# KiCad board SHEGO75-V3.kicad_pcb (continued)
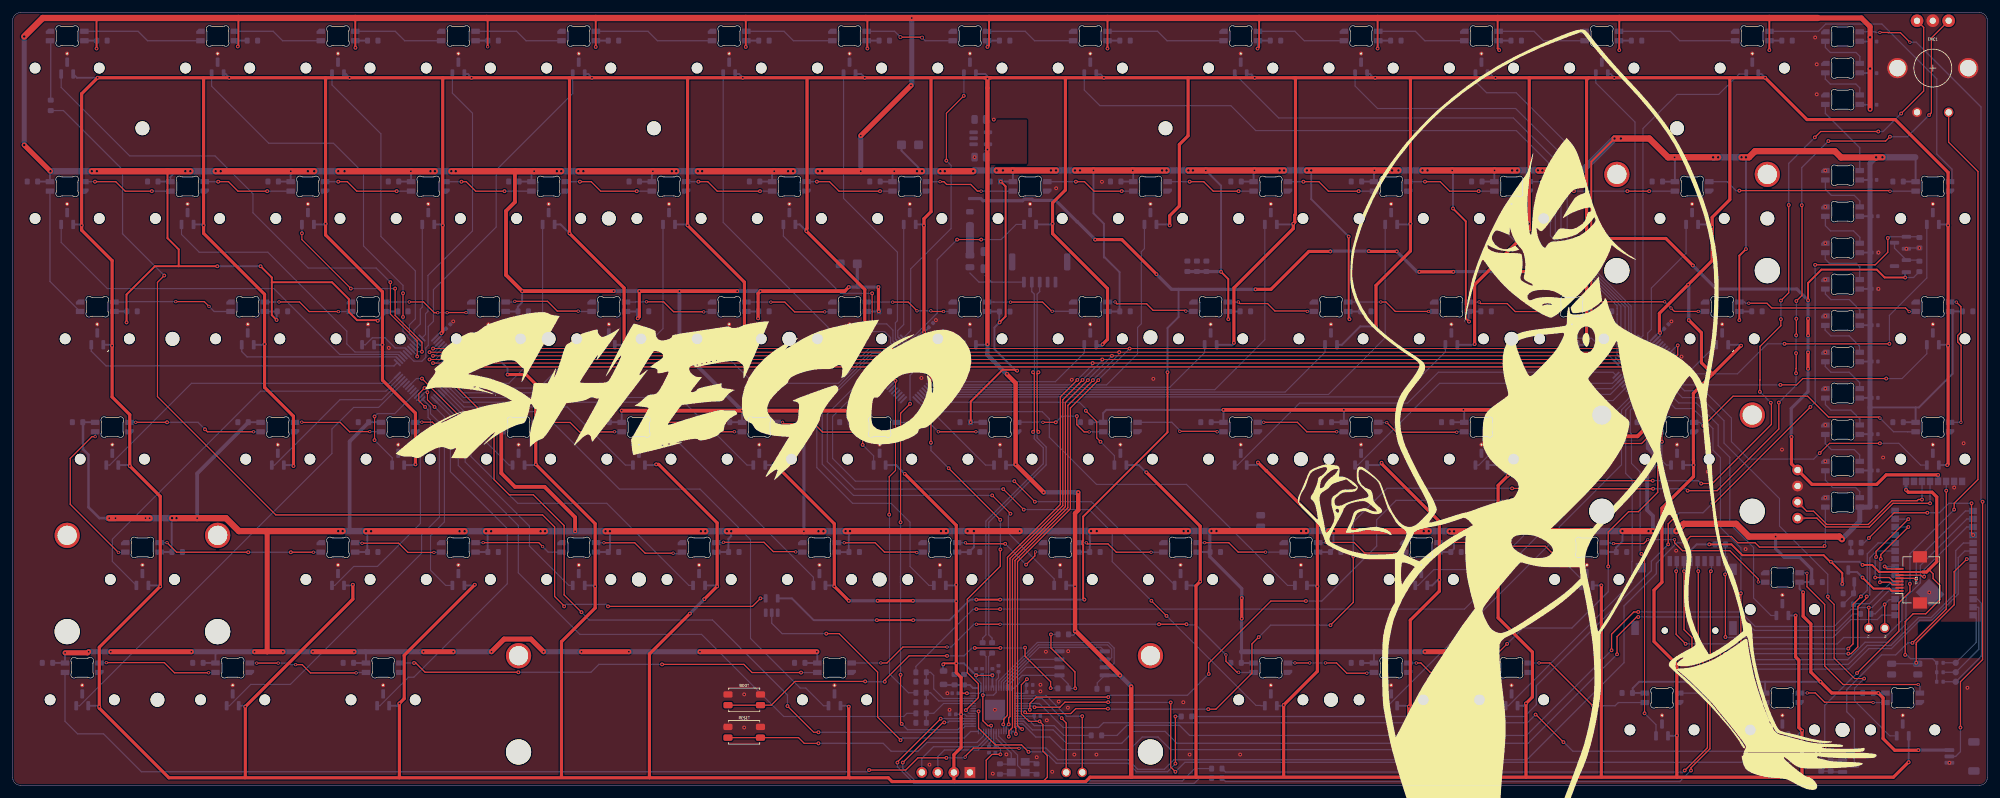
[diagram p0: board, top side]
## Routing (per net, layer and track width the routed paths; a pad name or vN(x,y) marks a point on that pad's centre or on a via; arc(x,y) is an arc through that point) (continued)
  Bottom w0.2: v1(268.78,19.91) 290.43,19.91 293.18,22.66 296.78,22.66 299.66,25.53 299.66,29.78 301.93,32.05 301.93,34.8 309.3,42.18 U5.24 ; SD1.7 268.88,34.01 v1(268.78,33.91)
/SD_MOSI: length 72.7
  Top w0.2: v1(266.78,19.16) 266.78,19.2 265.78,20.2 265.78,23.41 264.53,24.66 v1(264.53,33.91)
  Bottom w0.2: U5.27 308.74,38.37 307.53,37.16 307.53,30.47 303.62,26.56 301.68,26.56 297.28,22.16 293.53,22.16 290.53,19.16 v1(266.78,19.16) ; SD1.3 264.48,33.96 v1(264.53,33.91)
/sensors/HE1_Esc: length 83.8
  Top w0.18: v1(64.03,67.91) 64.03,70.37 59.78,74.62 v1(59.78,79.66)
  Bottom w0.18: 63.01,69.05 64.03,68.03 v1(64.03,67.91) ; v1(59.78,79.66) 57.53,81.91 46.78,81.91 38.03,90.66 38.03,93.66 32.03,99.66 18.53,99.66 7.68,110.51 HE1.2
/sensors/HE2_F1: length 62.2
  Top w0.18: v1(61.78,77.91) v1(61.78,74.16)
  Bottom w0.18: v1(61.78,74.16) 61.78,71.87 62.48,71.17 62.48,71 63.72,69.76 ; v1(61.78,77.91) 61.78,79.16 55.53,85.41 55.53,96.91 50.78,101.66 40.53,101.66 31.49,110.69 HE2.2
/sensors/HE3_F2: length 48.9
  Bottom w0.18: 64.07,70.12 62.78,71.41 62.78,72.91 63.74,73.86 63.74,81.45 58.28,86.91 58.28,103.16 50.54,110.89 HE3.2
/sensors/HE4_F3: length 46.4
  Bottom w0.18: HE4.2 69.59,109.59 72.78,106.41 72.78,87.78 65.73,80.73 65.73,75.06 65.35,74.67 65.35,71.4 64.78,70.82
/sensors/HE5_F4: length 58.3
  Bottom w0.18: HE5.2 88.64,109.52 76.53,97.41 76.53,88.41 66.6,78.47 66.6,73.47 65.78,72.66 65.78,69.66 65.38,69.26 65.38,67.76 64.78,67.16 63.5,67.16 62.3,68.35
/sensors/HE6_F5: length 61
  Bottom w0.18: MUX2.5 137.7,69.16 135.56,69.16 134.26,67.86 130.73,67.86 129.07,69.52 129.07,72.52 112.46,89.13 HE6.2
/sensors/HE7_F6: length 46.4
  Bottom w0.18: 140.27,70.12 139.71,70.68 139.71,73.23 140.03,73.56 140.03,84.41 131.51,92.93 HE7.2
/sensors/HE8_F7: length 46.4
  Top w0.18: v1(150.53,109.16) 147.78,106.41 v1(147.78,98.91)
  Bottom w0.18: HE8.2 150.56,109.18 v1(150.53,109.16) ; v1(147.78,98.91) 148.53,98.16 148.53,88.16 142.13,81.76 142.13,71.98 140.98,70.82
/sensors/HE9_F8: length 116.1
  Bottom w0.18: 255.18,68.35 254.54,69 254.54,75.86 243.38,87.02 243.38,89.2 243.45,89.27 243.45,90.22 243.11,90.56 243.11,98.54 237.99,103.66 196.75,103.66 192.8,107.6 172.09,107.6 169.61,110.08 HE9.2
/sensors/HE10_F9: length 91.2
  Bottom w0.18: HE10.2 200.38,105.66 237.53,105.66 244.16,99.03 244.16,86.78 255.21,75.73 255.21,69.74 255.89,69.06
/sensors/HE11_F10: length 73.9
  Bottom w0.18: HE11.2 212.47,110.72 216.03,107.16 237.88,107.16 245.06,99.98 245.06,86.42 255.77,75.71 255.77,70.59 256.6,69.76
/sensors/HE12_F11: length 55.8
  Bottom w0.18: 256.95,70.12 256.15,70.92 256.15,75.86 246.03,85.98 246.03,101.58 237.96,109.66 233.28,109.66 231.52,111.42 HE12.2
/sensors/HE13_F12: length 44.9
  Bottom w0.18: 257.31,70.47 256.77,71.01 256.77,105.02 250.57,111.22 HE13.2
/sensors/HE14_Del: length 53.2
  Bottom w0.18: 257.66,70.82 258.03,71.2 258.03,103.99 263.43,109.39 270.01,109.39 273.24,112.62 HE14.2
/sensors/HE15_Grave: length 64.3
  Bottom w0.18: HE15.2 7.68,85.96 14.98,78.66 41.33,78.66 51.76,68.22 61.01,68.22 61.6,67.64
/sensors/HE16_1: length 45.9
  Bottom w0.18: 61.95,68 61.34,68.61 54.18,68.61 52.89,69.9 52.89,71.9 40.38,84.41 29.53,84.41 26.73,87.21 HE16.2
/sensors/HE17_2: length 33.9
  Top w0.18: v1(64.78,68.66) 64.78,70.16 60.53,74.41 v1(60.53,78.66) ; v1(53.53,78.66) 45.78,86.41 v1(45.78,87.41)
  Bottom w0.18: 63.36,69.41 64.12,68.66 v1(64.78,68.66) ; v1(53.53,78.66) v1(60.53,78.66) ; HE17.2 v1(45.78,87.41)
/sensors/HE18_3: length 19.2
  Bottom w0.18: 64.42,70.47 63.53,71.36 63.53,72.06 64.52,73.04 64.52,75.39 64.83,75.71 HE18.2
/sensors/HE19_4: length 36
  Bottom w0.18: HE19.2 83.88,74.86 82,72.98 82,67.13 78.53,63.66 71.24,63.66 70.32,64.57
/sensors/HE20_5: length 54.7
  Bottom w0.18: 69.61,63.87 71.32,62.16 92.78,62.16 102.93,72.31 HE20.2
/sensors/HE21_6: length 30.7
  Top w0.18: v1(136.03,73.06) v1(136.03,77.91)
  Bottom w0.18: 139.92,69.76 139.33,70.35 139.33,72.06 138.33,73.06 v1(136.03,73.06) ; v1(136.03,77.91) 131.03,77.91 121.98,86.96 HE21.2
/sensors/HE22_7: length 18.9
  Bottom w0.18: HE22.2 141.03,72.96 140.09,72.01 140.09,71.01 140.62,70.47
/sensors/HE23_8: length 34.7
  Top w0.18: v1(153.28,86.41) v1(149.48,86.41)
  Bottom w0.18: HE23.2 158.83,88.81 156.43,86.41 v1(153.28,86.41) ; v1(149.48,86.41) 146.33,83.26 146.33,74.78 141.87,70.31 141.87,69.99 140.33,68.46 139.81,68.46 139.21,69.06
/sensors/HE24_9: length 55.2
  Bottom w0.18: 146.17,64.22 146.98,63.41 173.13,63.41 178.04,68.31 178.04,72.48 178.64,73.07 178.64,84.48 179.13,84.98 HE24.2
/sensors/HE25_0: length 74.6
  Bottom w0.18: 145.46,63.51 146.33,62.64 190.27,62.64 198.18,70.56 HE25.2
/sensors/HE26_Minus: length 94.5
  Bottom w0.18: 144.75,62.81 145.68,61.88 208.26,61.88 217.23,70.86 HE26.2
/sensors/HE27_Equals: length 32.2
  Bottom w0.18: 254.48,67.64 253.94,68.18 253.94,74.57 253.95,74.58 253.95,75.51 253.94,75.51 253.94,75.92 246.2,83.66 240.28,83.66 236.28,87.66 HE27.2
/sensors/HE28_Backspace: length 31.4
  Bottom w0.18: 259.65,61.04 257.86,62.83 257.86,68.73 258.78,69.65 258.78,71.6 259.36,72.18 259.36,78.73 264.86,84.23 HE28.2
/sensors/HE29_Home: length 56.9
  Top w0.18: v1(297.03,69.91) v1(280.43,69.91)
  Bottom w0.18: HE29.2 302.96,80.33 297.03,74.41 v1(297.03,69.91) ; 263.56,64.93 263.79,65.16 272.98,65.16 277.73,69.91 v1(280.43,69.91)
/sensors/HE30_Tab: length 50.6
  Bottom w0.2: HE30.2 12.44,68.74 14.78,66.41 60.36,66.41 60.89,66.93
/sensors/HE31_Q: length 26.6
  Bottom w0.2: HE31.2 36.26,68.68 37.1,67.83 60.7,67.83 61.24,67.29
/sensors/HE32_W: length 8.7
  Bottom w0.2: 55.31,69.76 55.83,69.76 56.93,70.86 58.93,70.86 60.54,69.25 62.11,69.25 62.66,68.7
/sensors/HE33_E: length 6.4
  Bottom w0.18: 70.68,64.93 74.36,68.61 HE33.2
/sensors/HE34_R: length 26.8
  Bottom w0.18: HE34.2 90.13,69.76 83.28,62.91 71.28,62.91 69.97,64.22
/sensors/HE35_T: length 31.4
  Bottom w0.18: 138.15,68 137.37,68.77 135.82,68.77 130.7,63.66 117.28,63.66 112.46,68.48 HE35.2
/sensors/HE36_Y: length 10.4
  Bottom w0.18: 139.56,69.41 138.95,70.03 138.95,70.9 138.01,71.83 134.12,71.83 132.04,69.76 HE36.2
/sensors/HE37_U: length 6.3
  Bottom w0.18: HE37.2 150.56,68.68 146.88,65
/sensors/HE38_I: length 26.5
  Bottom w0.18: 146.52,64.57 147.19,63.91 165.03,63.91 169.61,68.48 HE38.2
/sensors/HE39_O: length 46.7
  Bottom w0.18: HE39.2 188.66,68.53 183.15,63.02 146.66,63.02 145.81,63.87
/sensors/HE40_P: length 66.8
  Bottom w0.18: HE40.2 207.71,68.58 201.39,62.26 146,62.26 145.11,63.16
/sensors/HE41_LeftBracket: length 86.8
  Bottom w0.18: 144.4,62.45 145.35,61.5 219.63,61.5 226.76,68.63 HE41.2
/sensors/HE42_RightBracket: length 10
  Bottom w0.18: 253.77,66.93 249.92,70.78 247.37,70.78 246.34,69.76 HE42.2
/sensors/HE43_Backslash: length 14.2
  Bottom w0.18: HE43.2 265.77,65.91 262.78,65.91 259.68,62.81 259.68,62.44 260.37,61.74
/sensors/HE44_PgUp: length 43.7
  Top w0.18: v1(296.53,64.41) 283.33,64.41 282.33,63.41 v1(279.78,63.41)
  Bottom w0.18: HE44.2 302.96,68.33 299.03,64.41 v1(296.53,64.41) ; 263.2,64.57 264.37,63.41 v1(279.78,63.41)
/sensors/HE45_CapsLock: length 52
  Bottom w0.18: 60.89,64.93 59.62,63.66 28.31,63.66 15.36,50.71 HE45.2
/sensors/HE46_A: length 26.2
  Bottom w0.18: HE46.2 41.46,50.71 51.81,61.06 58.43,61.06 61.6,64.22
/sensors/HE47_S: length 16.8
  Top w0.18: v1(57.28,54.66) v1(57.28,58.41)
  Bottom w0.18: 63.72,62.09 60.48,58.86 57.73,58.86 v1(57.28,58.41) ; v1(57.28,54.66) 60.07,51.87 HE47.2
/sensors/HE48_D: length 16.3
  Bottom w0.18: HE48.2 78.58,50.71 73.67,55.62 73.67,56.24 67.85,62.06
/sensors/HE49_F: length 34.6
  Bottom w0.18: HE49.2 96.98,50.71 87.78,59.91 71.45,59.91 68.55,62.81
/sensors/HE50_G: length 53.3
  Bottom w0.18: 69.26,63.51 71.37,61.41 105.53,61.41 116.23,50.71 HE50.2
/sensors/HE51_H: length 15.8
  Top w0.18: v1(134.53,53.91) v1(134.53,59.16)
  Bottom w0.18: 137.44,64.57 134.53,61.66 v1(134.53,59.16) ; HE51.2 136.27,52.17 v1(134.53,53.91)
/sensors/HE52_J: length 16.6
  Bottom w0.18: 142.99,61.04 145.58,58.45 146.24,58.45 153.98,50.71 HE52.2
/sensors/HE53_K: length 37.8
  Top w0.18: v1(169.85,59.31) 171.58,57.58 171.58,55 v1(172.18,54.4)
  Bottom w0.18: 143.69,61.74 144.78,60.66 168.81,60.66 169.85,59.61 v1(169.85,59.31) ; HE53.2 174.37,52.21 v1(172.18,54.4)
/sensors/HE54_L: length 66.6
  Bottom w0.18: HE54.2 193.86,50.71 203.67,60.52 220.77,60.52 225.66,65.41 253.29,65.41 253.77,64.93
/sensors/HE55_Semicolon: length 47.4
  Bottom w0.18: 254.12,64.57 253.21,63.66 225.86,63.66 212.91,50.71 HE55.2
/sensors/HE56_Quote: length 28.6
  Bottom w0.18: 254.48,64.22 253.05,62.8 244.14,62.8 232.05,50.71 HE56.2
/sensors/HE57_Enter: length 12.1
  Top w0.18: v1(261.03,58.91) v1(261.03,54.41)
  Bottom w0.18: HE57.2 261.73,50.71 261.03,51.41 v1(261.03,54.41) ; 260.02,61.39 261.03,60.38 v1(261.03,58.91)
/sensors/HE58_PgDn: length 50
  Top w0.18: v1(295.53,54.16) 287.56,54.16 v1(286,52.6)
  Bottom w0.18: v1(286,52.6) 285.06,51.66 274.78,51.66 272.03,54.41 272.03,58.16 267.72,62.47 264.6,62.47 262.85,64.22 ; v1(295.53,54.16) 298.53,54.16 301.98,50.71 HE58.2
/sensors/HE59_ShiftL: length 65
  Bottom w0.18: HE59.2 15.78,35.46 15.78,38.96 39.23,62.41 59.08,62.41 61.24,64.57
/sensors/HE60_Z: length 42.9
  Top w0.18: v1(65.28,59.91) 64.28,60.91 64.28,62 v1(65.19,62.91)
  Bottom w0.18: v1(65.19,62.91) 65.19,62.87 64.07,61.74 ; HE60.2 50.98,31.66 53.98,34.66 57.73,34.66 64.53,41.46 64.53,53.26 66.13,54.86 66.13,57.86 65.75,58.24 65.75,59.44 v1(65.28,59.91)
/sensors/HE61_X: length 36.2
  Top w0.18: v1(66.78,59.91) 65.64,61.05 v1(65.64,62.24)
  Bottom w0.18: v1(65.64,62.24) 65.28,62.24 64.42,61.39 ; v1(66.78,59.91) 68.33,58.36 68.33,41.71 66.14,39.51 66.14,34.05 68.53,31.66 HE61.2
/sensors/HE62_C: length 39
  Bottom w0.18: 67.14,61.39 71.62,56.91 71.62,51.2 81.78,41.04 81.78,37.91 88.03,31.66 HE62.2
/sensors/HE63_V: length 55.4
  Bottom w0.18: 67.49,61.74 72.53,56.71 72.53,52.07 79.95,44.66 94.03,44.66 107.03,31.66 HE63.2
/sensors/HE64_B: length 72.7
  Bottom w0.18: 68.91,63.16 71.41,60.66 100.78,60.66 103.53,57.91 103.53,56.16 126.74,32.94 HE64.2
/sensors/HE65_N: length 54.2
  Bottom w0.18: HE65.2 145.03,31.66 142.03,34.66 142.03,41.66 139.03,44.66 132.93,44.66 127.28,50.31 127.28,59.69 135.98,68.39 137.04,68.39 137.8,67.64
/sensors/HE66_M: length 69.6
  Top w0.18: v1(157.93,43.01) v1(155.03,45.91)
  Bottom w0.18: v1(155.03,45.91) 133.08,45.91 128.13,50.86 128.13,60.01 136.14,68.01 136.72,68.01 137.44,67.29 ; HE66.2 164.84,32.69 157.6,39.93 157.6,42.69 v1(157.93,43.01)
/sensors/HE67_Comma: length 79.1
  Top w0.18: v1(161.78,44.91) v1(158.53,48.16)
  Bottom w0.18: v1(161.78,44.91) 170.73,44.91 183.89,31.74 ; v1(158.53,48.16) 133.38,48.16 129.78,51.76 129.78,58.41 132.03,60.66 132.82,60.66 137.09,64.93
/sensors/HE68_Period: length 73.6
  Bottom w0.18: HE68.2 201.78,31.66 185.78,47.66 171.53,47.66 164.08,55.11 164.08,58.03 162.95,59.16 145.58,59.16 143.34,61.39
/sensors/HE69_Slash: length 54.2
  Bottom w0.18: HE69.2 222.43,31.66 224.93,34.16 233.78,34.16 239.13,39.51 239.13,53.26 247.78,61.91 252.87,61.91 254.83,63.87
/sensors/HE70_ShiftR: length 36.5
  Bottom w0.18: HE70.2 248.19,32.75 244.78,36.16 244.78,40.91 254.64,50.76 254.64,59.43 256.95,61.74
/sensors/HE71_ArrowUp: length 45.4
  Bottom w0.18: 261.44,62.81 263.7,60.54 266.45,60.54 269.93,57.06 269.93,53.78 271.78,51.93 271.78,41.41 275.53,37.66 275.53,29.66 278.29,26.89 HE71.2
/sensors/HE72_CtrlL: length 75.4
  Bottom w0.18: 61.95,63.87 57.92,59.83 53.96,59.83 50.53,56.41 50.53,52.54 10.6,12.61 HE72.2
/sensors/HE73_Win: length 67.6
  Bottom w0.18: HE73.2 34.32,12.61 37.69,15.98 43.96,15.98 64.72,36.75 64.72,39.65 67.53,42.46 67.53,57.46 66.13,58.86 66.13,59.89 64.99,61.04 64.78,61.04
/sensors/HE74_AltL: length 62.5
  Bottom w0.18: HE74.2 58.13,12.61 62.65,17.12 63.5,17.12 78.28,31.91 78.28,40.66 69.28,49.66 69.28,58.54 66.79,61.04
/sensors/HE75_Space: length 90.7
  Bottom w0.18: 68.2,62.45 71.5,59.16 83.78,59.16 96.03,46.91 108.78,46.91 116.78,38.91 116.78,23.27 124.65,15.41 125.53,15.41 128.33,12.61 HE75.2
/sensors/HE76_AltR: length 107
  Top w0.18: v1(160.03,43.66) v1(156.78,46.91) ; v1(182.62,26.83) v1(180.23,29.22)
  Bottom w0.18: v1(180.23,29.22) 174.03,35.42 174.03,40.01 170.38,43.66 v1(160.03,43.66) ; v1(156.78,46.91) 133.28,46.91 128.93,51.26 128.93,58.78 137.09,66.93 ; HE76.2 197.58,12.61 197.53,12.66 196.8,12.66 v1(182.62,26.83)
/sensors/HE77_Fn: length 66.1
  Bottom w0.18: HE77.2 217.67,12.61 243.28,38.22 243.28,46.04 253.9,56.66 253.9,59.4 256.6,62.1
/sensors/HE78_CtrlR: length 58.6
  Bottom w0.18: HE78.2 236.73,12.61 256.28,32.16 256.28,35.41 256.33,35.45 256.33,48.36 255.3,49.39 255.3,59.39 257.31,61.39
/sensors/HE79_ArrowLeft: length 55.6
  Top w0.18: v1(257.78,36.66) 258.28,36.16 v1(258.28,11.41)
  Bottom w0.18: HE79.2 260.09,9.59 v1(258.28,11.41) ; v1(257.78,36.66) 257.58,36.86 257.58,49.61 256.21,50.98 256.21,55.63 256.03,55.81 256.03,59.41 256.91,60.28 256.91,60.29 257.66,61.04
/sensors/HE80_ArrowDown: length 65.2
  Top w0.18: v1(273.53,30.41) 273.53,19.31 273.18,18.96
  Top w0.2: 273.18,18.96 272.43,18.21 v1(272.43,14.26)
  Bottom w0.18: v1(272.43,14.26) 272.43,13.26 277.84,7.84 HE80.2 ; 260.73,62.1 263.17,59.66 265.93,59.66 269.11,56.48 269.11,53.08 270.28,51.91 270.28,40.86 273.53,37.61 v1(273.53,30.41)
/sensors/HE81_ArrowRight: length 75.1
  Top w0.18: v1(293.03,16.91) 291.53,16.91 288.28,20.16 288.28,28.66 287.28,29.66 v1(287.28,29.91)
  Bottom w0.18: 262.14,63.51 264.27,61.39 267.2,61.39 270.86,57.73 270.86,54.19 279.64,45.41 279.64,41.05 287.28,33.41 v1(287.28,29.91) ; HE81.2 297.09,7.84 291.53,13.41 291.53,15.41 v1(293.03,16.91)
/SWCLK: length 12.9
  Bottom w0.2: SWD1.3 146.43,4.55 147.48,5.61 152.82,5.61 154.46,7.25 U4.24
/SWDIO: length 14.8
  Bottom w0.2: SWD1.4 143.89,4.26 145.74,6.11 152.74,6.11 154.06,7.44 U4.25
/TFT_BL: length 9.3
  Top w0.3: TFT1.LEDA 297.41,30.78 297.03,31.16 294.53,31.16 v1(292.78,32.91)
  Bottom w0.3: v1(292.78,32.91) 291.91,33.78 290.53,33.78
/TFT_CS: length 4.2
  Top w0.2: TFT1.CS 296.66,34.28 v1(296.28,34.66)
  Bottom w0.2: U5.16 296.69,34.57 296.6,34.66 v1(296.28,34.66)
/TFT_DC: length 17.6
  Top w0.2: v1(294.93,36.16) 294.93,37.06 v1(300.03,42.16) ; TFT1.DC 297.66,32.28 297.03,32.91 v1(294.78,32.91)
  Bottom w0.2: v1(300.03,42.16) 297.97,42.16 ; v1(294.78,32.91) 294.78,36.01 v1(294.93,36.16)
/TFT_MOSI: length 18.1
  Top w0.2: v1(301.28,32.66) 301.16,32.78 TFT1.SDA
  Bottom w0.2: v1(301.28,32.66) 301.16,32.66 301.28,32.78 301.28,35.66 309.07,43.45 U5.23
/TFT_RES: length 15.9
  Top w0.2: v1(295.67,35.85) 295.67,36.54 v1(300.03,40.91) ; v1(295.53,32.16) 297.1,32.16 297.48,31.78 TFT1.RES
  Bottom w0.2: v1(295.67,35.85) 295.53,35.71 v1(295.53,32.16) ; v1(300.03,40.91) 297.95,40.91
/TFT_SCK: length 15.7
  Top w0.2: v1(302.53,33.03) 302.25,33.03 302,33.28 TFT1.SCL
  Bottom w0.2: U5.25 309.28,40.91 302.53,34.16 v1(302.53,33.03)
/USB_BOOT: length 60.1
  Top w0.2: v1(152.28,21.76) v1(156.33,21.76) ; v1(160.23,21.81) 160.23,20.46 164.28,16.41 v1(164.28,15.41) ; BOOT1.2 BOOT1.2 120.07,12.69 123.83,16.46 v1(134.93,16.46) ; v1(138.03,16.41) 138.03,16.66 141.88,20.51 v1(147.88,20.51)
  Bottom w0.2: v1(152.28,21.76) 151.83,21.76 150.58,20.51 v1(147.88,20.51) ; v1(134.93,16.46) 134.98,16.41 v1(138.03,16.41) ; v1(156.33,21.76) 160.18,21.76 v1(160.23,21.81) ; v1(164.28,15.41) 165.37,15.41
/XIN: length 9.8
  Bottom w0.18: U4.20 156.06,7.78 159.05,4.8 159.05,3.13 160.16,2.02
  Bottom w0.2: Y1.3 161.84,2.02
/XOUT: length 7.2
  Bottom w0.18: 156.26,3.36 157.7,3.36
  Bottom w0.2: U4.21 155.66,7.47 158.06,5.07 Y1.1
AMB_IN: length 321
  Top w0.2: v3(159.28,5.86) 159.23,5.91 152.06,5.91 150.75,4.59 v3(150.75,4.46) ; v1(147.78,4.36) 143.28,4.36 141.36,2.43 v1(135.56,2.43) ; v1(286.78,37.91) 286.6,37.72 276.47,37.72 275.78,38.41 273.03,38.41 272.03,39.41 265.53,39.41 v1(264.91,38.78)
  Bottom w0.2: AMB1.3 286.89,38.02 v1(286.78,37.91) ; v1(135.56,2.43) 135.28,2.16 20.38,2.16 14.38,8.16 10.28,8.16 8.29,10.15 LED72.2 ; v3(150.75,4.46) 150.64,4.36 v1(147.78,4.36) ; v3(159.28,5.86) 159.33,5.91 163.53,5.91 165.38,4.06 176.55,4.06 178.05,2.56 182.28,2.56 183.78,4.06 239.66,4.06 255.03,19.43 255.03,28.41 260.16,33.53 260.16,35.13 263.43,38.41 264.53,38.41 v1(264.91,38.78)
D+: length 62.1
  Top w0.2: v1(162.35,65.41) 162.15,65.21 162.15,56.15 v1(162.35,55.95)
  Bottom w0.2: v1(162.35,55.95) 162.15,55.75 162.15,54.99 163.57,53.56 163.57,50.73 154.49,41.65 154.49,23.83 155.02,23.31 R1.1 ; v1(162.35,65.41) 162.15,65.61 162.15,77.77 162.55,78.17 JST1.3
D-: length 62.1
  Top w0.2: v1(161.5,55.95) 161.7,56.15 161.7,65.21 v1(161.5,65.41)
  Bottom w0.2: JST1.2 161.3,78.17 161.7,77.77 161.7,65.61 v1(161.5,65.41) ; R2.2 153.52,23.31 154.04,23.83 154.04,41.84 163.12,50.92 163.12,53.45 161.7,54.87 161.7,55.75 v1(161.5,55.95)
ENC_A: length 226.2
  Top w0.2: v1(282.26,65.26) 282.26,66.01 282.28,66.03 282.28,68.41 v1(282.26,68.43) ; v1(303.32,106.12) 303.68,106.49 303.68,118.33 ENC1.A ; v1(287.37,102.01) 296.43,102.01 v1(297.12,102.7) ; v1(259.63,46.96) 248.02,46.96 246.29,45.23 v1(237.28,45.23) ; v1(173.41,13.98) 162.01,13.98 160.99,12.96 v1(160.99,11.96) ; v1(282.31,73.88) 282.31,71.28 v1(282.28,71.26) ; v1(265.09,46.66) 269.77,46.66 279.53,56.41 v1(279.53,60.61) ; v1(189.3,17.64) 189.3,19.34 199.14,29.19 v1(204.68,29.19) ; v1(283.16,91.85) 283.2,91.81 283.2,77.58 v1(282.31,76.68)
  Bottom w0.2: v1(279.53,60.61) 282.26,63.33 v1(282.26,65.26) ; U4.7 160.73,12.16 160.93,11.96 v1(160.99,11.96) ; v1(283.16,91.85) 283.16,97.8 v1(287.37,102.01) ; v1(265.09,46.66) 264.79,46.96 v1(259.63,46.96) ; v1(189.3,17.64) 185.92,14.26 173.69,14.26 v1(173.41,13.98) ; v1(204.68,29.19) 207.19,29.19 215.88,37.87 215.88,42.05 218.95,45.12 237.16,45.12 237.27,45.23 v1(237.28,45.23) ; v1(297.12,102.7) 299.89,102.7 v1(303.32,106.12) ; v1(282.28,71.26) 282.26,71.23 v1(282.26,68.43) ; v1(282.31,73.88) v1(282.31,76.68)
ENC_B: length 230.8
  Top w0.2: v1(189.23,12.07) 190.44,12.07 196.14,17.77 196.14,22.4 v1(197.22,23.47) ; v1(279.86,73.81) 279.86,72.78 276.56,69.48 276.56,64.18 276.53,64.15 v1(276.53,62.31) ; ENC1.B 302.46,120 302.46,109.93 v1(298.89,106.37) ; v1(208.57,25.37) 212.18,28.98 v1(212.18,36.27) ; v1(281.1,91.88) 281.1,77.99 v1(279.87,76.75) ; v1(285.22,102.59) 286.15,103.52 v1(295.28,103.52) ; v1(160.24,11.56) 160.44,11.36 167.47,11.36 168.25,12.15 v1(173.35,12.15) ; v1(278.26,60.58) 278.36,60.48 278.36,57.15 269,47.79 v1(267.24,47.79) ; v1(237.31,47.03) 237.33,47.01 246.01,47.01 247.24,48.24 v1(259.58,48.24)
  Bottom w0.2: v1(237.31,47.03) 217.51,47.03 212.18,41.7 v1(212.18,36.27) ; v1(259.58,48.24) 266.79,48.24 v1(267.24,47.79) ; v1(189.23,12.07) 173.52,12.07 173.44,12.15 v1(173.35,12.15) ; v1(295.28,103.52) 296.04,103.52 v1(298.89,106.37) ; v1(279.87,76.75) 279.87,76.67 279.86,76.66 v1(279.86,73.81) ; v1(208.57,25.37) 199.11,25.37 v1(197.22,23.47) ; U4.8 160.04,11.76 v1(160.24,11.56) ; v1(285.22,102.59) 281.1,98.47 v1(281.1,91.88) ; v1(278.26,60.58) v1(276.53,62.31)
ENC_SW: length 253
  Top w0.2: v1(300.28,31.91) 300.28,30.66 298.53,28.91 298.53,24.41 v1(291.91,17.78) ; v1(286.78,5.99) 286.78,5.9 v1(284.53,3.66) ; v1(161.73,12.36) 165.74,12.36 166.55,13.18 v1(173.38,13.18) ; v1(183.28,13.13) 183.29,13.12 183.29,2.9 v1(184.03,2.16) ; v1(307.28,43.66) 307.28,44.66 311.05,48.42 311.05,97.18 306.41,101.83 ENC1.S1
  Bottom w0.2: v1(300.28,31.91) 300.28,36.66 v1(307.28,43.66) ; v1(184.03,2.16) 185.53,3.66 v1(284.53,3.66) ; v1(286.78,5.99) 286.8,6.01 286.8,12.67 v1(291.91,17.78) ; U4.6 161.53,12.56 v1(161.73,12.36) ; v1(183.28,13.13) 173.43,13.13 v1(173.38,13.18)
MUX1: length 112.3
  Top w0.18: v1(64.78,64.41) 70.53,58.66 v1(70.53,56.66)
  Bottom w0.18: v1(64.78,64.41) 63.9,64.41 62.66,63.16 ; R8.2 141.53,11.41 141.03,10.91 122.03,10.91 109.03,23.91 89.77,23.91 80.03,33.65 80.03,41.14 70.53,50.64 v1(70.53,56.66)
MUX2: length 53.5
  Top w0.18: v1(139.73,64.06) 139.73,49.86 138.73,48.86 v1(138.73,42.86)
  Bottom w0.18: v1(138.73,42.86) 138.78,42.81 138.78,17.66 141.78,14.66 R9.2 ; 138.86,63.16 139.73,64.03 v1(139.73,64.06)
MUX3: length 139.3
  Top w0.18: v1(156.28,27.91) v1(152.53,27.91)
  Bottom w0.18: 255.54,63.16 253.3,60.92 250.05,60.92 241.28,52.16 241.28,39.41 229.78,27.91 v1(156.28,27.91) ; v1(152.53,27.91) 152.03,27.91 142.96,18.83 R11.2
MUX_A0: length 265.9
  Top w0.15: v1(259.41,69.16) v1(176.78,69.16) v1(142.73,69.16) v1(66.53,69.16)
  Top w0.2: v1(171.83,64.15) 167.42,59.74 167.42,43.8 159.05,35.43 159.05,9.5 159.46,9.09 159.6,9.09 v1(159.78,8.91)
  Bottom w0.2: v1(159.78,8.91) 159.46,8.91 159,9.36 ; v1(171.83,64.15) 171.83,64.2 v1(176.78,69.16) ; 143.69,70.12 v1(142.73,69.16) ; 67.49,70.12 v1(66.53,69.16) ; 260.37,70.12 v1(259.41,69.16)
MUX_A1: length 268
  Top w0.15: v1(65.98,68.58) v1(175.13,68.58) v1(258.86,68.58)
  Top w0.2: v1(158.79,8.15) 158.78,8.16 158.78,9.06 158.64,9.19 158.64,35.59 167.01,43.96 167.01,60.15 170.97,64.11 v1(170.97,64.15)
  Bottom w0.15: 260.73,69.66 259.65,68.58 v1(258.86,68.58) ; v1(142.18,68.58) 142.97,68.58 144.05,69.66 ; 67.85,69.66 66.77,68.58 v1(65.98,68.58)
  Bottom w0.2: v1(158.79,8.15) 158.41,8.53 U4.15 ; v1(170.97,64.15) 171.58,64.75 171.58,64.75 175.13,68.3 v1(175.13,68.58)
MUX_A2: length 267.5
  Top w0.15: v1(66.53,68.01) v1(142.73,68.01) v1(173.99,68.01) v1(259.41,68.01) ; v1(170.17,64.16) 170.17,64.16
  Top w0.2: v1(157.66,7.71) 157.66,8.57 158.24,9.16 158.24,35.76 166.61,44.13 166.61,60.6 v1(170.17,64.16)
  Bottom w0.15: 68.2,69.41 66.8,68.01 v1(66.53,68.01) ; 261.08,69.41 259.68,68.01 v1(259.41,68.01) ; v1(142.73,68.01) 143,68.01 144.4,69.41
  Bottom w0.2: v1(157.66,7.71) 157.66,7.9 157.66,7.9 U4.16 ; v1(173.99,68.01) 173.98,68.01 170.17,64.19 v1(170.17,64.16)
MUX_A3: length 267.8
  Top w0.15: v1(65.98,67.43) v1(142.18,67.43) v1(172.46,67.43) v1(258.86,67.43)
  Top w0.2: v1(157.64,9.66) 157.64,10.7 157.84,10.9 157.84,35.92 166.21,44.29 166.21,61.05 168.75,63.59 168.75,63.59 169.11,63.94 169.11,63.94 v1(169.34,64.18)
  Bottom w0.15: v1(258.86,67.43) 259.81,67.43 261.44,69.06 ; 144.75,69.06 143.13,67.43 v1(142.18,67.43) ; 68.55,69.06 66.93,67.43 v1(65.98,67.43)
  Bottom w0.2: v1(169.34,64.18) 172.46,67.3 v1(172.46,67.43) ; v1(157.64,9.66) 157.26,9.28 U4.17
MUX_A4: length 266.5
  Top w0.15: v1(66.53,66.86) v1(142.73,66.86) v1(170.94,66.86) v1(259.41,66.86)
  Top w0.2: v1(168.5,64.19) 165.81,61.5 165.81,44.46 157.44,36.09 157.44,11.06 156.86,10.49 156.86,9.74 v1(156.78,9.66)
  Bottom w0.15: v1(66.53,66.86) 67.06,66.86 68.91,68.7 ; v1(142.73,66.86) 143.26,66.86 145.11,68.7 ; v1(259.41,66.86) 259.94,66.86 261.79,68.7
  Bottom w0.2: U4.18 156.86,9.34 156.86,9.57 v1(156.78,9.66) ; v1(168.5,64.19) 170.94,66.62 v1(170.94,66.86)
MUX_CS1: length 125.2
  Top w0.18: 126.28,8.91 126.78,8.41 v1(127.53,8.41)
  Top w0.2: v1(122.63,12.56) 126.28,8.91 ; v1(67.66,64.53) 67.78,64.41 68.96,64.41 76.2,57.17 76.2,48.4 78.61,45.99 82.42,45.99 87.28,41.13 87.28,30.16 v1(90.03,27.41)
  Bottom w0.2: v1(67.66,64.53) 67.53,64.66 67.53,66.64 69.24,68.35 ; U4.29 150.74,9.36 149.78,8.41 v1(127.53,8.41) ; v1(122.63,12.56) 122.63,14.31 110.76,26.18 91.26,26.18 v1(90.03,27.41)
MUX_CS2: length 72.8
  Top w0.2: v1(140.53,17.51) 140.53,9.91 v1(140.71,9.73) ; v1(142.03,60.41) 140.53,58.91 v1(140.53,41.66)
  Bottom w0.2: 145.46,68.35 142.03,64.92 v1(142.03,60.41) ; v1(140.71,9.73) 141.63,8.81 149.58,8.81 150.54,9.76 U4.30 ; v1(140.53,41.66) 140.53,33.09 140.51,33.07 140.51,32.12 140.53,32.1 v1(140.53,17.51)
MUX_CS3: length 156.8
  Top w0.18: v1(236.53,22.41) 231.78,17.66 231.78,17.41 222.53,8.16 v1(222.53,5.41)
  Top w0.2: v1(252.53,34.66) 252.53,40.11 255.75,43.32 257.3,43.32 260.37,46.4 260.37,58.56 259.03,59.91 v1(259.03,63.06) ; v1(261.92,66.54) 263.53,68.16 v1(263.53,69.66)
  Bottom w0.2: v1(222.53,5.41) 222.48,5.46 220.33,5.46 220.13,5.66 183.28,5.66 181.28,7.66 178.78,7.66 176.78,5.66 166.13,5.66 164.13,7.66 161.93,7.66 159.82,9.76 U4.13 ; v1(252.53,34.66) 252.53,30.66 246.78,24.91 239.03,24.91 v1(236.53,22.41) ; v1(263.53,69.66) 263.45,69.66 262.14,68.35 ; v1(261.92,66.54) 259.03,63.66 v1(259.03,63.06)
MUX_WR: length 264
  Top w0.15: 156.31,37.33 v1(156.33,37.35)
  Top w0.2: v1(68.28,66.25) 144.18,66.25 ; 144.18,66.25 v1(144.53,66.25) 260.09,66.25 v1(260.09,66.25) ; 144.18,66.25 144.18,65.81 145.34,64.65 v1(145.34,54.26) ; 156.31,37.33 156.31,34.69 151.09,29.47 151.09,17.85 152.84,16.09 152.84,13.89 v1(150.86,11.91) ; v1(156.31,42.05) v1(148.15,50.21)
  Bottom w0.15: U4.34 151.4,11.36 v1(150.86,11.91) ; 156.33,42.03 v1(156.31,42.05)
  Bottom w0.2: v1(68.28,66.25) 68.28,66.66 69.61,68 ; 262.5,68 260.76,66.25 v1(260.09,66.25) ; v1(145.34,54.26) 145.34,53.02 v1(148.15,50.21) ; v1(156.33,37.35) 156.33,42.03 ; 145.81,68 144.53,66.71 v1(144.53,66.25)
STATUS: length 12.7
  Bottom w0.2: GLO1.3 286.89,106.39 292.34,100.94 AMB10.2
Net-(AMB1-DOUT): length 8.6
  Bottom w0.2: AMB2.3 286.89,48.32 288.06,47.16 291.68,47.16 292.34,46.49 AMB1.2
Net-(AMB2-DOUT): length 8.6
  Bottom w0.2: 292.33,51.35 292.33,52.3 291.47,53.16 287.85,53.16 286.88,54.12 286.88,55.61
Net-(AMB3-DOUT): length 8.4
  Bottom w0.2: 292.36,57.05 292.36,58 290.95,59.41 287.78,59.41 286.91,60.28 286.91,61.31
